# KiCad board panelised.kicad_pcb (continued)
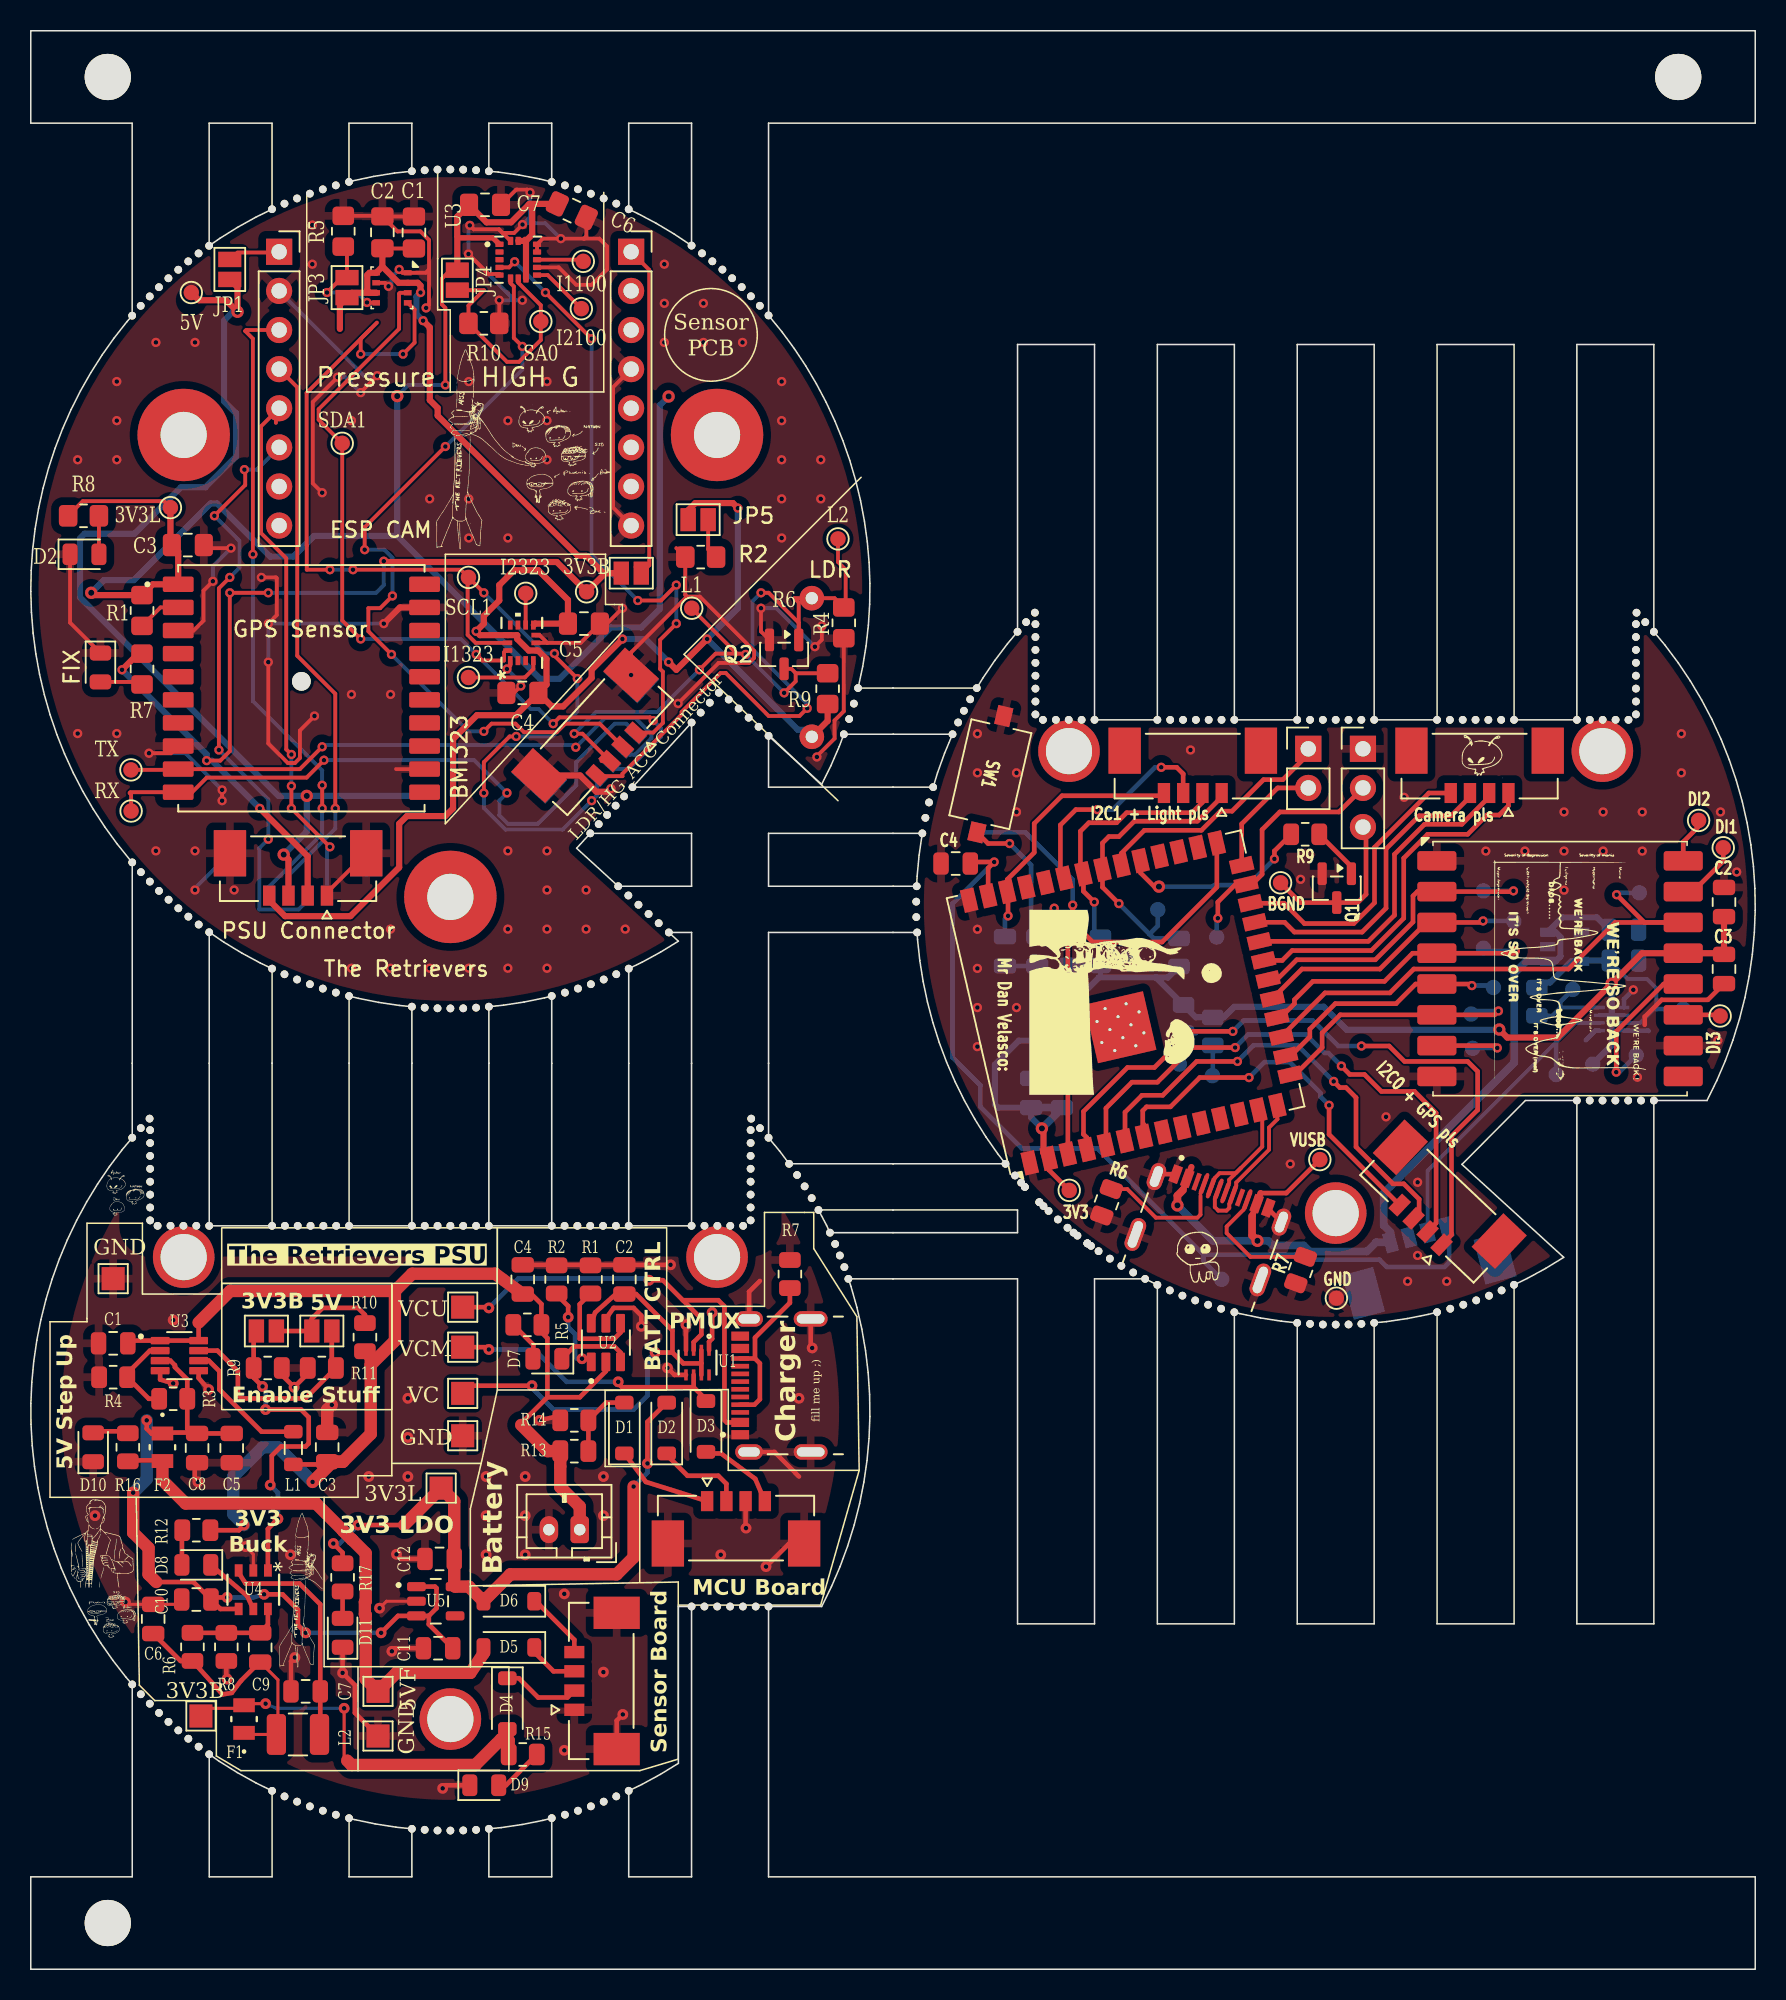
[diagram p0: board, top side]
## Routing (per net, layer and track width the routed paths; a pad name or vN(x,y) marks a point on that pad's centre or on a via; arc(x,y) is an arc through that point) (continued)
Board_0-GPS_UART_RX: length 42.1
  Top w0.25: RX.1 6.51,76.3 6.42,76.39 6.47,76.44 U1.10 10.47,76.44 11.42,77.39 17.91,77.39 v1(19.04,78.51)
  Bottom w0.25: v1(19.04,78.51) 28.8,78.51 v1(30.92,76.39) 30.43,75.89 30.43,74.94 30.98,74.39 32.92,74.39 35.42,76.89 35.42,78.39 37.92,80.89 38.67,80.89 J2#3.4
Board_0-GPS_UART_TX: length 38.5
  Top w0.25: U1.9 9.52,77.89 TX.1 ; U1.9 17.47,77.94 v1(18.92,79.39) ; U1.9 9.55,77.96
  Bottom w0.25: v1(18.92,79.39) 19.04,79.5 35.24,79.5 v1(35.39,79.35) 37.3,81.26 39.25,81.26 40.31,80.21 40.31,79.95 39.22,78.87 38.92,78.87 J2#3.3
Board_0-IN2_100: length 3.8
  Top w0.25: U5#2.9 33.58,110.02 I2100.1
Board_0-INT1_100: length 3
  Top w0.25: I1100.1 35.77,111.02 U5#2.11
Board_0-INT1_323: length 5
  Top w0.25: U4#2.4 32.64,84.44 32.09,83.89 I1323.1
Board_0-INT2_323: length 2.1
  Top w0.25: U4#2.9 32.14,89.35 I2323.1
Board_0-LIGHT1: length 29.1
  Top w0.25: 37.06,78.47 J1#2.3 35.83,80.24 v1(35.29,80.24) ; v1(48.92,82.89) 49.67,83.64 49.67,84.17 ; 45.85,85.43 46.38,85.43 v1(46.42,85.39) ; 45.85,85.43 44.47,85.43 v1(43.42,84.39) ; 45.85,85.43 43.39,87.89 43.39,87.92 L1#2.1 ; Q2.3 49.4,84.45 49.67,84.17 ; 49.67,84.17 49.69,84.16 R9.1
  Bottom w0.25: v1(35.29,80.24) 36.7,81.64 40.68,81.64 v1(43.42,84.39) ; v1(48.92,82.89) v1(46.42,85.39)
Board_0-LIGHT2: length 42.6
  Top w0.25: v1(50.42,81.89) 49.92,81.39 47.92,81.39 45.14,84.17 ; 45.14,84.17 44.79,84.17 42.27,81.65 42.27,81.48 38.42,77.64 38.42,77.48 36.82,77.48 J1#2.4 ; 45.14,84.17 45.12,84.17 ; L2#2.1 52.42,91.39 52.92,90.89 52.92,88.56 R4.2 52.2,89.04 R6#2.2 ; R6#2.2 49.59,89.04 49.87,88.75 Q2.1 49.87,87.44 47.92,89.39 v1(47.42,89.39) ; R6#2.2 50.7,89.06
  Bottom w0.25: v1(50.42,81.89) 50.42,82.17 46.87,85.72 46.87,88.83 v1(47.42,89.39)
Board_0-Net-(D1-A): length 2.8
  Top w0.25: D1.2 7.06,83.6 R7#3.2
Board_0-Net-(D2-A): length 2.5
  Top w0.25: R8.2 D2#2.2
Board_0-Net-(JP1-B): length 2.5
  Top w0.25: 15.92,111.46 15.89,111.49 13.42,111.49
Board_0-Net-(JP2-B): length 22.1
  Top w0.25: 39.27,91.04 JP2.2 40.17,91.18 40.17,110.36 U2#2.9
Board_0-Net-(U1-~{RESET}): length 2.8
  Top w0.25: U1.2 8.42,88.44 R1#2.2
Board_0-PRESSURE_ADDR: length 7.3
  Top w0.25: v1(19.23,108.89) 20.2,109.86 JP3.2 20.53,111.63 R5#2.1 ; U3#2.5 21.86,108.22 v1(21.83,108.24)
  Bottom w0.25: v1(19.23,108.89) 21.19,108.89 v1(21.83,108.24)
Board_0-SA0: length 15.2
  Top w0.25: U5#2.7 31.66,109.52 33.12,108.06 SA0.1 33.12,105.8 31.71,104.39 30.92,104.39 R10.1 28.42,108.04 29.42,109.04 JP4.2
Board_0-SCL1: length 76.6
  Top w0.25: v1(20.92,90.89) 27.92,90.89 SCL1.1 ; v1(29.42,89.39) SCL1.1 ; SCL1.1 28.37,90.33 28.37,86.66 28.89,86.14 U4#2.13 ; v1(34.01,85.45) 33.98,85.45 33.92,85.39 v1(35.49,83.82) ; v1(21.42,104.89) 21.42,105.88 22.07,106.53 ; U3#2.4 24.92,107.77 24.92,105.64 v1(24.17,104.89) ; 22.07,106.53 22.48,106.93 ; 22.07,106.53 17.91,102.37 17.91,92.47 17.92,92.46 17.92,90.89 v1(19.42,90.89) ; v1(29.42,76.39) 29.42,78.39 31.09,80.06 v1(31.53,80.06)
  Bottom w0.25: v1(24.17,104.89) v1(21.42,104.89) ; v1(29.42,89.39) 33.37,85.45 v1(34.01,85.45) ; 35.74,83.82 v1(35.49,83.82) 35.49,81.67 33.88,80.06 v1(31.53,80.06) ; v1(20.92,90.89) v1(19.42,90.89) ; J2#3.1 36.77,76.23 v1(36.42,75.89) 34.55,74.01 30.83,74.01 29.42,75.41 v1(29.42,76.39)
Board_0-SCL2: length 40.9
  Top w0.25: v1(39.42,88.89) 40.92,88.89 v1(41.92,89.89) ; U5#2.4 31.06,110.52 v1(31.42,110.89) ; J1#2.1 40.43,80.31 41.05,80.94 41.05,84.26 40.87,84.44 40.87,86.33 v1(41.92,87.39) ; v1(36.42,105.89) v1(33.42,108.89)
  Bottom w0.25: v1(41.92,87.39) v1(41.92,89.89) ; v1(33.42,108.89) v1(31.42,110.89) ; v1(36.42,105.89) 36.42,91.89 v1(39.42,88.89)
Board_0-SDA1: length 56.3
  Top w0.25: U4#2.14 30.84,85.64 30.73,85.53 30.73,84.99 29.32,84.99 v1(28.92,85.39) ; v1(40.42,81.09) 40.22,81.3 34.33,81.3 v1(33.92,80.89) ; U3#2.3 23.98,108.87 23.91,108.8 23.91,106.53 18.69,101.31 18.69,100.63 SDA1.1 20.22,87.59 v1(21.42,86.39)
  Bottom w0.25: v1(40.42,81.09) 40.92,80.59 40.92,80.04 38.84,77.95 38.08,77.95 J2#3.2 ; v1(21.42,86.39) 27.92,86.39 v1(28.92,85.39) 32.48,81.83 32.98,81.83 v1(33.92,80.89)
Board_0-SDA2: length 50.6
  Top w0.25: v1(26.92,98.89) 21.68,93.65 v1(21.68,92.19) ; v1(29.42,80.39) 29.92,80.89 31.48,80.89 32.03,80.33 34.15,80.33 34.71,80.89 36.95,80.89 J1#2.2 38.42,79.39 ; v1(31.92,105.39) 31.37,105.94 31.37,109.28 31.16,109.49 U5#2.6 ; v1(23.42,85.39) 21.92,86.89 21.92,88.39 22.69,88.39 v1(23.49,89.19)
  Bottom w0.25: v1(29.42,80.39) 28.42,80.39 v1(23.42,85.39) ; v1(21.68,92.19) 22.96,92.19 23.49,91.66 v1(23.49,89.19) ; v1(26.92,98.89) 31.92,103.89 v1(31.92,105.39)
Board_0-SDO: length 2.6
  Top w0.25: JP5.2 43.99,92.22 R2#2.1
Board_0-unconnected-(U1-3D-FIX-Pad5): length 0.9
  Top w0.25: 8.72,83.94 U1.5
Board_1-+3V3_Buck: length 26.4
  Top w0.2: v3(15.25,17.25) 13.95,17.25 F1.2 13.65,16.94 11.46,16.94 11.32,16.79 ; 20.55,13.55 20.35,13.75 v3(20.35,16.95) ; 30.64,13.55 R15.1
  Top w0.8: D4.2 30.95,14.95 ; 30.95,14.95 31.04,14.86 R15.1 30.94,14.05 ; 30.95,14.95 30.55,14.95 28.87,13.26 20.83,13.26 20.55,13.55
  Bottom w0.2: v3(15.25,17.25) 15.95,16.95 v3(20.35,16.95)
Board_1-+3V3_LDO: length 40.9
  Top w0.3: v3(21.25,28.85) 24.25,28.85 ; D2.2 40.05,35.55 v3(40.05,32.85) ; R17.1 20.25,27.05 v3(19.65,27.65)
  Top w0.8: 24.25,28.85 3V3_LDO_TP1.1 27.5,30.4 C12.1 27.5,24.9 U5.5 28.45,24.85 D6.2 31.15,25.65 38.05,25.65 39.15,26.75 v3(39.15,31.35)
  Bottom w0.3: v3(19.65,27.65) 20.05,27.65 v3(21.25,28.85) ; v3(40.05,32.85) 40.05,32.25 v3(39.15,31.35)
Board_1-+5VF: length 36.5
  Top w0.3: F2.2 8.48,33 8.44,33.05 6.31,33.05 6.3,33.03 R16.1
  Top w0.8: D5.2 29.4,20.5 28.55,19.25 23.75,19.25 5V_TP1.1 21.75,18.85 21.75,23 21.7,23.05 21.7,23.84 21.75,23.89 21.75,27.02 20.87,27.89 20.86,27.89 20.3,28.45 20.3,28.47 18.52,30.25 10.05,30.25 8.55,31.75 F2.2
Board_1-+5VU: length 52.4
  Top w0.3: C10.1 12.31,23.39 U4.4 ; C10.1 10.56,25.15 8.15,25.15 ; C10.1 11.84,24.15 v3(12.75,24.15) ; C10.1 11.65,23.96 ; v3(7.53,35.65) 7.53,35.1 7.84,34.79 F2.1 ; 25.85,22.95 26.35,23.45 26.35,24.75 26.25,24.85 U5.1 ; 25.85,22.95 U5.3 23.85,22.95 v3(22.75,21.85) ; 25.85,22.95 25.85,22.4 C11.1 ; 12.85,34.8 10.45,34.8 ; 10.45,34.8 10.16,35.08 R3.1 10.16,38.29 9.36,39.1 9.36,39.22 9.06,39.52 U3.3 ; 10.45,34.8 10.4,34.85 8.25,34.85 ; v3(17.85,21.85) 17.35,22.35 17.35,23.35 16.35,24.35 v3(15.15,24.35)
  Top w0.8: v3(6.65,30.95) 6.65,28.35 7.65,27.35 7.65,25.65 8.15,25.15 ; 27.45,20.9 C11.1
  Bottom w0.3: v3(17.85,21.85) v3(22.75,21.85) ; v3(15.15,24.35) 14.45,24.15 v3(12.75,24.15)
  Bottom w0.8: v3(6.65,30.95) 7.53,31.82 v3(7.53,35.65)
Board_1-/Bat_ADC: length 4.8
  Top w0.3: R13.2 R14.1 37.36,36.8 D1#2.2
Board_1-EN_3.3: length 21
  Top w0.3: U4.1 15.4,28.6 v3(16.05,29.25) ; EN_3V3.1 14.47,41.27 R9#2.1 14.47,38.42 v3(15.05,37.85) ; 15.45,31.55 v3(15.55,31.45) 15.65,31.55 15.65,33.35 16.25,33.95 17.85,33.95 18.05,34.15 18.05,35.85 17.55,36.35 v3(15.25,36.35)
  Bottom w0.3: v3(15.05,37.85) 15.25,37.65 v3(15.25,36.35) ; v3(15.55,31.45) 16.05,30.95 v3(16.05,29.25)
Board_1-EN_5: length 14.4
  Top w0.3: EN_5.1 19.55,39.31 R11.1 17.83,37.07 13.69,37.07 13.45,37.31 13.45,38.84 12.12,40.17 U3.7
Board_1-GND: length 70.2
  Top w0.2: v3(6.15,23.85) 6.3,23.7 C6.1 9.49,23.7 C10.2 ; U5.2 23.1,23.9 v3(22.65,23.45) ; U4.2 14.45,26.95 v3(13.95,27.45)
  Top w0.3: v3(50.75,40.35) 50.65,40.45 J3#2.SH4 ; C11.2 23.65,20.85 v3(23.45,20.65) ; v3(12.75,18.85) 12.7,18.9 R8#2.2 ; J3#2.SH1 48.29,33.59 49.89,32 ; C7.1 16.9,20 v3(17.15,20.25) ; v3(46.45,28.65) 46.42,28.67 J2.3 ; v3(9.25,38.05) 8.4,38.3 U3.4 ; C8.2 10.65,32.75 10.65,31.85 v3(10.85,31.65) ; GND_TP3.1 21.05,16.64 21.05,18.44 v3(20.25,19.25) D11.1 ; J3#2.SH3 46.65,44 47.35,44.7 ; v3(42.55,41.85) 42.55,41.45 U1#3.4 ; U1#3.5 41.8,38.6 v3(41.35,39.05) ; R9#2.2 16.3,38.6 v3(17.1,37.8) 17.99,38.68 R11.2 ; J2.S1 49.25,27.65 v3(47.75,26.15) ; R14.2 34.39,35.68 34.17,35.9 v3(33.05,35.65) ; v3(44.25,42.65) 44.25,40.95 44.05,40.75 U1#3.1 ; D9.1 26.95,11.95 v3(26.75,11.75) ; v3(38.45,16.55) 38.05,16.15 J1#3.S2 ; v3(41.55,45.75) C2#2.2 C4.2 ; v3(39.65,41.75) 39.65,42.45 39.15,42.95 37.85,42.95 37.35,42.25 U2#3.5 ; v3(11.55,37.65) 10.9,38.4 U3.5 ; v3(23.75,26.95) 24.05,26.65 C12.2
  Top w0.8: C3#3.1 19.25,36.35 v3(19.55,36.65)
  vias: v3(4.17,29.46) v3(9.25,42.16) v3(16.87,26.92) v3(21.95,32) v3(24.49,37.08) v3(24.49,34.54) v3(24.49,32) v3(29.57,32) v3(29.57,29.46) v3(29.57,26.92) v3(32.11,32) v3(32.11,29.46) v3(32.11,26.92) v3(34.65,24.38) v3(34.65,14.22) v3(37.19,32) v3(37.19,29.46) v3(37.19,19.3) v3(44.81,26.92) v3(49.89,37.08)
Board_1-Net-(C6-Pad2): length 17.1
  Top w0.2: C9.1 16.05,18.8 16.05,15.45 15.95,15.35 L2.1 13.95,15.25 13.85,15.34 F1.1
  Top w0.3: 14.9,19.98 13.65,18.73 13.05,17.95 12.45,17.85 R6#3.2 ; 10.37,19.9 R6#3.2 ; R6#3.2 9.72,20.02 C6.2
Board_1-Net-(D1-K): length 6.5
  Top w0.3: D1#2.1 39.95,31.65 J2.1
Board_1-Net-(D2-K): length 5.9
  Top w0.3: D2.1 41.3,33.4 42.65,32.05 44.65,32.05 45.17,31.52 J2.2
Board_1-Net-(D3-A): length 5.4
  Top w0.3: J2.4 47.05,31.85 44.82,33.5 43.95,33.5 D3.2
Board_1-Net-(D4-K): length 5.1
  Top w0.3: D4.1 31.7,18.9 32.95,17.65 34.85,17.65 J1#3.2
Board_1-Net-(D5-K): length 3.4
  Top w0.3: J1#3.3 33.95,19.35 32.7,20.6 D5.1
Board_1-Net-(D6-K): length 4.4
  Top w0.3: D6.1 32.8,23.9 35.3,21.4 J1#3.4
Board_1-Net-(D7-A): length 2.7
  Top w0.3: R5.2 32.64,40.55 32.64,39.67 D7.2
Board_1-Net-(D7-K): length 4.9
  Top w0.3: U2#3.3 38.3,40.05 37.9,40.45 35.29,40.45 D7.1
Board_1-Net-(D8-A): length 2.3
  Top w0.3: R12.1 9.81,28.48 D8.2
Board_1-Net-(D8-K): length 4
  Top w0.3: U4.5 14.05,24.25 D8.1
Board_1-Net-(D9-A): length 3.3
  Top w0.3: R15.2 30.86,11.95 D9.2
Board_1-Net-(D10-A): length 2.4
  Top w0.3: R16.2 6.25,34.86 6.25,34.87 6.19,34.93 4.15,34.93 D10.2
Board_1-Net-(D11-A): length 1.8
  Top w0.3: R17.2 D11.2
Board_1-Net-(EN_3V3-B): length 7.6
  Top w0.3: EN_3V3.2 EN_5.2 18.25,42.25 18.95,42.95 21.25,42.95 21.7,42.5 R10#2.2
Board_1-Net-(J3-CC1): length 10.7
  Top w0.3: J3#2.B5 47.03,39.66 ; 47.03,39.66 47.03,41.01 49.3,43.28 R7.1 ; 47.03,39.66 47.35,39.35 47.35,37.01 47,36.66 J3#2.A5
Board_1-Net-(U2-ISET): length 6.6
  Top w0.3: R1.1 35.65,43.18 35.65,40.95 37.9,40.95 38.3,41.35 U2#3.4
Board_1-Net-(U2-TS): length 5.8
  Top w0.3: v3(35.8,39.65) 36.19,39.65 U2#3.1 ; v3(34.9,42.35) 34.9,43.06 34.15,43.82 R2.1
  Bottom w0.3: v3(34.9,42.35) 34.9,41.69 35.35,41.25 35.35,39.77 35.47,39.65 v3(35.8,39.65)
Board_1-Net-(U3-FB): length 6.1
  Top w0.3: U3.2 7.74,40.17 6.26,38.7 R4#2.1 ; R3.2 7.66,37.05 R4#2.1 ; 6.56,38.75 R4#2.1
Board_1-Net-(U3-SW): length 8.8
  Top w0.3: U3.6 11.56,39.52 12.25,38.83 12.25,37.65 14.99,34.91 L1.2
Board_1-Net-(U4-FB): length 6.1
  Top w0.3: R6#3.1 R8#2.1 14.86,21.85 15.4,22.38 U4.6
Board_1-Net-(U4-LX): length 14.9
  Top w0.3: U4.3 13.5,25.75 13.95,25.05 17.45,25.05 18.8,23.7 C7.2 18.8,15.4 18.75,15.35 L2.2
Board_1-Vbat: length 84.6
  Top w0.3: R12.2 13.51,28.51 v3(13.85,28.85) ; U2#3.2 37.35,38.84 35.66,37.15 33.55,37.15 ; C3#3.2 19.07,32.78 17.25,32.78 ; 31.85,35.35 31.85,35.45 33.55,37.15 ; 10.9,42 U3.8 U3.1 6.47,40.82 C1#2.1 ; 33.55,37.15 33.55,40.98 33.16,41.37 R5.1 33.16,43.2 32.51,43.85 C4.1
  Top w0.8: C4.1 30.15,45.17 24.77,45.17 23.65,44.05 ; 23.65,44.05 23.65,40.82 22.08,39.25 ; 23.65,44.05 12.95,44.05 10.9,42 ; 31.85,35.35 33.55,33.65 R13.1 34.39,31.31 35.65,30.05 J4#2.1 ; 22.08,39.25 22.08,34.76 20.27,32.96 ; 22.08,39.25 22.08,39.75 R10#2.1 ; v3(18.3,31.65) 19.61,32.96 20.27,32.96 ; 20.27,32.96 C3#3.2
  Bottom w0.8: v3(18.3,31.65) 16.05,33.9 15.05,33.9 13.15,32 13.15,29.55 v3(13.85,28.85)
Board_1-Vcharger: length 29.8
  Top w0.3: U2#3.6 36.65,42.65 38,43.85 C2#2.1 39.31,43.85 41.67,41.48 41.67,40.05 ; 41.67,40.05 42.37,39.35 43.55,39.35 ; 41.67,40.05 v3(40.55,40.05) ; 43.55,39.35 U1#3.2 ; 43.55,39.35 U1#3.7 ; Vcharger_TP1.1 28.55,37.9 v3(32.55,37.9)
  Bottom w0.3: v3(40.55,40.05) 40.05,39.55 40.05,37.25 39.15,36.35 33.95,36.35 32.55,37.75 v3(32.55,37.9)
Board_1-Vcharger_MCU: length 18.2
  Top w0.3: 43.05,37.8 38.4,37.8 38.25,37.95 38.25,38.05 v3(38.15,38.15) ; 43.05,37.8 43.85,37 D3.1 ; 43.05,37.8 U1#3.6 ; Vcharger_MCU_TP1.1 29.6,40.4 v3(29.75,40.25)
  Bottom w0.3: v3(38.15,38.15) 34.8,38.15 32.7,40.25 v3(29.75,40.25)
Board_1-Vcharger_USB: length 31
  Top w0.3: v3(40.15,44.75) 41.05,44.75 42.35,43.45 ; Vcharger_USB_TP1.1 29.7,43 v3(29.75,42.95) ; 42.35,43.45 43.55,42.25 43.55,41.22 43.05,40.72 U1#3.3 ; 42.35,43.45 44.65,43.45 45.05,43.05 45.05,35.66 45.2,35.51 J3#2.A4_B9
  Bottom w0.3: v3(29.75,42.95) 31.66,44.86 40.04,44.86 v3(40.15,44.75)
Board_2-+3V3: length 84.3
  Top w0.3: TP19.1 66.12,51.91 U2.2
  Top w0.4: C2#3.1 C3.1 109.89,65.98 U1#2.13 104.64,65.98 v2(102.67,64) 99.17,60.5 95.89,60.5 v2(95.37,61.03) ; v2(65.67,54.6) 65.77,54.5 65.77,53.01 U2.2
  Top w0.5: 107.14,65.8 U1#2.13 107.39,65.9
  Bottom w0.25: U3#3.7 U3#3.2
  Bottom w0.3: R5#3.2 R2#3.2 69.47,64.5 69.37,64.4
  Bottom w0.4: v2(95.37,61.03) 95.35,61 85.47,61 83.97,62.5 78.17,62.5 77.48,61.82 R1#3.2 75.67,61.82 R3#2.1 73.08,64.4 ; 73.08,64.4 73.86,64.4 R4#3.1 ; 73.08,64.4 69.37,64.4 65.27,60.3 64.17,60.3 62.62,58.75 62.62,56.15 62.82,55.95 C7#3.1 64.97,55.3 v2(65.67,54.6) ; v2(102.67,64) 102.67,60 TP15.1
  Bottom w0.5: C7#3.1 C6#3.1 66.97,55.9 v2(65.67,54.6)
Board_2-+3V3_LDO_LOCAL: length 14.8
  Bottom w0.25: U3#3.3 104.52,61.45 105.57,62.5 105.57,63.7 104.97,64.3 103.72,64.3 C9#2.2
  Bottom w0.3: TP21.1 105.57,62.35 105.49,62.43
  Bottom w0.4: C9#2.2 100.77,65.5 U4#3.5 100.04,65.45 98.67,64.08 98.16,64.08 R8#3.1
Board_2-+3V3_PSU_LDO: length 21.2
  Bottom w0.25: J7.2 90.72,51.85 100.32,61.45 U3#3.6
  Bottom w0.3: TP22.1 99.07,60.2
Board_2-/BUZZER_IO38: length 12.7
  Top w0.3: v1(80.77,72.1) 80.77,72.62 R9#3.1 ; U2.31 72.08,71.19 72.97,70.3 v2(73.27,70.3)
  Bottom w0.3: v2(73.27,70.3) 76.77,70.3 76.87,70.4 79.07,70.4 v1(80.77,72.1)
Board_2-/CAM_IO13: length 23.2
  Top w0.3: J5.1 95.97,75.55 95.37,74.95 94.57,74.95 93.32,73.7 90.72,73.7 89.17,72.15 89.17,68.25 87.07,66.15 81.92,66.15 81.28,65.51 U2.21
Board_2-/CAM_IO14: length 21.4
  Top w0.3: J5.2 94.72,76.13 92.94,74.35 90.52,74.35 88.57,72.4 88.57,68.45 86.87,66.75 U2.22
Board_2-/CAM_IO21: length 20.4
  Top w0.3: U2.23 81.43,67.99 82.07,67.35 86.47,67.35 88.02,68.9 88.02,72.75 90.17,74.9 92.24,74.9 93.47,76.13 J5.3
Board_2-/CAM_IO47: length 19.2
  Top w0.3: J5.4 90.8,76.38 87.27,72.85 87.27,69.25 85.92,67.9 82.72,67.9 81.4,69.23 U2.24
Board_2-/D+: length 10.7
  Top w0.25: 77.35,51.21 76.9,50.02 76.9,49.49 77.13,49.26 77.66,49.26 77.84,49.44 77.84,49.68 78.29,50.87 78.29,51.09 80.42,53.22 80.42,54.65 80.96,55.2 U2.14
Board_2-/D-: length 10.2
  Top w0.2: U2.13 79.98,55.55
  Top w0.25: 76.44,50.18 76.89,51.37 77.21,51.69 78.26,51.69 78.57,52.01 ; 77.38,49.86 77.83,51.05 77.83,51.27 78.57,52.01 ; 78.57,52.01 79.98,53.42 79.98,55.55
Board_2-/DI1: length 4.3
  Top w0.3: TP11.1 109.92,71.95 107.94,69.98 U1#2.15
Board_2-/DI2: length 2.6
  Top w0.3: U1#2.16 107.32,73.2 108.32,74.2
Board_2-/DI3: length 2.4
  Top w0.3: TP13.1 109.64,61.98 U1#2.11
Board_2-/DI4: length 10
  Top w0.3: v1(102.97,58.25) 102.97,60.9 106.05,63.98 U1#2.12
  Bottom w0.3: v1(102.97,58.25) 103.17,58.25 TP14.1
Board_2-/DI5: length 5.8
  Top w0.3: v1(95.24,59.83) 95.09,59.98 U1#2.7
  Bottom w0.3: 93.49,60.03 93.69,59.83 v1(95.24,59.83)
Board_2-/ESP_RESET: length 30
  Top w0.3: v1(66.47,68.9) 66.47,67.9 67.35,67.02 U2.3 ; SW1.2 62.17,73.1 v1(63.57,73.1)
  Bottom w0.3: v1(66.47,68.9) 66.47,68.15 C1#3.1 ; C1#3.1 64.97,67.45 64.97,71.7 v1(63.57,73.1) ; C1#3.1 65.41,67.02 R5#3.1
Board_2-/GPS_U1RX_IO7: length 25.6
  Top w0.3: v1(84.32,56.1) 84.32,54.21 J3.4 ; v1(79.12,57.9) 75.92,57.9 74.02,56 72.47,56 72.22,55.75 72.22,54.17 U2.7 72.3,54.86
  Bottom w0.3: v1(84.32,56.1) 83.77,56.65 83.77,56.9 81.77,58.9 80.12,58.9 v1(79.12,57.9)
Board_2-/GPS_U1TX_IO6: length 30.2
  Top w0.3: v1(84.62,57.65) 85.02,57.25 85.42,57.25 86.07,56.6 86.07,53.4 88.47,51 89.17,51 90.17,50 90.17,49.12 J3.3 ; v1(78.37,58.95) 75.72,58.95 73.52,56.75 72.17,56.75 71.06,55.65 U2.6
  Bottom w0.3: v1(78.37,58.95) 79.42,60 82.27,60 v1(84.62,57.65)
Board_2-/I2C0_SCL_IO4: length 49.6
  Top w0.3: J3.1 92.27,47.69 92.27,54.1 93.97,55.8 93.97,58.3 93.32,58.95 89.22,58.95 88.22,59.95 v1(86.42,59.95) ; v1(78.07,60.9) 75.32,60.9 72.97,58.56 71.22,58.56 68.37,55.7 68.37,54.22 68.59,54 U2.4
  Bottom w0.3: TP4.1 74.87,59.05 R3#2.2 75.66,60.79 75.77,60.9 v1(78.07,60.9) 78.77,61.6 83.27,61.6 84.92,59.95 v1(86.42,59.95)
Board_2-/I2C0_SDA_IO5: length 39.3
  Top w0.3: v1(78.22,59.85) 75.42,59.85 73.17,57.6 71.52,57.6 69.83,55.91 U2.5 ; J3.2 91.27,48.46 91.27,55.6 89.87,57 87.72,57 86.62,58.1 85.67,58.1 v1(85.12,58.65)
  Bottom w0.3: v1(85.12,58.65) 84.27,59.5 84.02,59.5 82.82,60.7 79.07,60.7 v1(78.22,59.85) 76.91,59.85 R1#3.1 76.77,58.05 TP2.1
Board_2-/I2C1_SCL_IO40: length 20.3
  Top w0.3: J4.1 77.34,76.13 75.77,74.55 71.67,74.55 70.67,73.55 70.02,73.55 69.6,73.14 U2.33 69.6,70.27 v1(70.67,69.2)
  Bottom w0.3: 72.66,67.22 73.19,67.75 TP5.1 ; 72.66,67.22 v1(70.67,69.2) ; 72.66,67.22 72.93,66.94 R4#3.2
Board_2-/I2C1_SDA_IO41: length 19.2
  Top w0.3: J4.2 76.09,75.78 75.42,75.1 71.17,75.1 70.52,74.45 68.72,74.45 68.17,73.9 68.17,71.7 68.37,71.51 U2.34 68.37,70.01 v1(69.07,69.3)
  Bottom w0.3: v1(69.07,69.3) 69.07,67.42 R2#3.1 70.66,65.83 TP3.1
Board_2-/IO39: length 15.9
  Top w0.3: U2.32 70.84,72.48 72.32,73.96 76.03,73.96 77.27,75.2 78.02,75.2 80.07,77.25 81.32,77.25 82.97,78.9 J2#2.1
Board_2-/IO45: length 8
  Top w0.3: J2#2.2 80.98,76.71 78.64,74.38 U2.26
Board_2-/LIGHT_1_IO42: length 14.5
  Top w0.3: v1(73.42,78.05) 74.42,78.05 74.84,77.63 J4.3 ; v1(69.27,75.3) 67.87,75.3 66.87,74.3 66.87,71.11 U2.35
  Bottom w0.3: v1(73.42,78.05) 73.02,78.05 70.27,75.3 v1(69.27,75.3)
Board_2-/LIGHT_2_ADC1CH1_IO2: length 17.4
  Top w0.3: v1(63.47,68.4) 63.47,69.94 U2.38 63.42,70.77 65.17,72.52 65.17,74.4 66.97,76.2 73.41,76.2 J4.4
  Bottom w0.3: C5#3.2 63.27,68.2 v1(63.47,68.4)
Board_2-/LORA_IRQ_IO9: length 35.8
  Top w0.3: v1(102.99,69.78) 104.79,67.98 U1#2.14 102.89,67.98 99.87,64.95 89.82,64.95 88.27,63.4 84.05,63.4 U2.17
  Bottom w0.3: v1(102.99,69.78) 103.12,69.9 TP16.1
Board_2-/LORA_SPI3_CLK_IO10: length 19.6
  Top w0.3: U2.18 81.17,61.8 82.07,62.7 82.07,62.95 83.27,64.15 87.92,64.15 89.74,65.98 U1#2.4 96.27,65.98 v1(96.42,66.13)
  Bottom w0.3: TP9.1 94.52,66.13 v1(96.42,66.13)
Board_2-/LORA_SPI3_CS_IO46: length 15.8
  Top w0.3: v1(93.59,63.88) 93.49,63.98 U1#2.5 89.94,63.98 88.67,62.7 84.72,62.7 83.07,61.05 83.07,60.55 81.84,59.33 U2.16
  Bottom w0.3: v1(93.59,63.88) 94.87,63.88 TP10.1
Board_2-/LORA_SPI3_D_IO11: length 17.8
  Top w0.3: U2.19 82.56,64.95 87.62,64.95 90.64,67.98 U1#2.3 94.22,67.98 v1(94.32,68.08)
  Bottom w0.3: v1(94.32,68.08) 96.29,68.08 TP8.1
Board_2-/LORA_SPI3_Q_IO12: length 21.3
  Top w0.3: v1(96.29,70.03) 96.24,69.98 U1#2.2 90.05,69.98 89.77,69.7 89.77,68.01 87.32,65.55 82.22,65.55 80.94,64.28 U2.20
  Bottom w0.3: v1(96.29,70.03) TP7.1
Board_2-/Power Management/POWER_ST: length 5.8
  Bottom w0.25: R8#3.2 98.54,61.92 98.56,61.93 98.81,61.93 99.33,62.45 U3#3.8
  Bottom w0.3: 99.33,62.45 99.33,62.82 TP20.1
Board_2-/SERVO_IO48: length 16.5
  Top w0.3: v1(77.09,68.25) 77.09,69.3 78.25,70.46 U2.25 79.33,70.46 79.97,71.1 79.97,74 81.12,75.15 84.96,75.15 J1.2
  Bottom w0.3: TP6.1 77.02,68.18 v1(77.09,68.25)
Board_2-/~{LORA_EN}_IO3: length 17.7
  Top w0.3: U2.15 82.1,58.09 83.87,59.85 83.87,60.8 85.04,61.98 U1#2.6 95.07,61.98 v1(95.32,62.23)
  Bottom w0.3: v1(95.32,62.23) 93.74,62.23 TP1.1
Board_2-BUZ_GND: length 10.8
  Top w0.3: J1.3 86.72,73.97 86.72,69.8 86.18,69.27 Q1.3 82.46,69.27 TP23.1
Board_2-GND: length 15.4
  Top w0.3: C3.2 108.92,62.95 105.92,62.95 104.82,61.85 104.82,61.33 ; J6.A12_B1 80.37,49.38 J6.SH3 ; J6.A1_B12 73.26,51.63 J6.SH1
  Bottom w0.3: U3#3.4 105.04,60.95 105.07,60.93 ; U3#3.5 101.62,60.95 100.99,60.33 ; C5#3.1 C1#3.2 ; v1(104.08,63.6) 103.47,62.99 U3#3.1
  vias: v1(61.48,80.23) v1(61.48,77.69) v1(61.48,67.53) v1(61.48,64.99) v1(61.48,62.45) v1(61.48,59.91) v1(64.02,77.69) v1(64.02,75.15) v1(64.02,62.45) v1(75.32,79.18) v1(76.72,64.99) v1(81.8,52.29) v1(82.47,70.78) v1(88.02,55.35) v1(89.19,76.1) v1(89.42,44.67) v1(90.07,51.1) v1(90.07,46.35) v1(91.96,44.67) v1(94.5,72.61) v1(97.04,72.61) v1(99.58,75.15) v1(99.58,72.61) v1(99.58,70.07) v1(102.12,75.15) v1(102.12,72.61) v1(104.34,57.93) v1(104.66,75.15) v1(104.66,72.61) v1(107.2,80.23) v1(107.2,77.69) v1(109.57,60.3) v1(109.74,75.15) v1(110.79,71.25)
Board_2-Net-(J6-CC1): length 9.1
  Top w0.25: 75.97,50.38 76.42,51.57 ; R6.2 71.21,50.66 73.07,48.8 75.77,48.8 75.97,49 75.97,50.21
Board_2-Net-(J6-CC2): length 9
  Top w0.25: 79.22,50.52 78.77,49.33 77.67,48.23 77.67,47.8 79.21,46.26 R7#2.2
Board_2-Net-(Q1-B): length 3.4
  Top w0.3: Q1.1 85.77,71.6 83.68,73.69 R9#3.2
Board_2-Net-(U2-IO0): length 24.5
  Top w0.3: v1(67.67,69.1) 67.67,68 68.97,66.7 73.47,66.7 77.03,70.26 U2.27
  Bottom w0.3: v1(67.67,69.1) 67.67,70.75 64.59,73.83 SW2.2
Board_2-V_USB: length 57.8
  Top w0.3: TP17.1 81.54,50.4 79.87,50.4
  Top w0.4: 75.38,52.09 74.83,50.59 74.76,50.59 ; 79.87,50.4 79.32,48.9
  Top w0.5: 74.83,50.59 74.47,50.23 v2(74.47,49.6) ; v2(79.67,47.3) 79.65,47.3 79.57,47.38 79.57,47.4 79.32,47.65 79.32,48.9
  Bottom w0.4: U4#3.1 99.02,65.45 99.35,65.78 99.35,67.03 99.02,67.35 U4#3.3 99.47,68.3 101.72,68.3 C8#2.2
  Bottom w0.5: v2(74.47,49.6) 76.77,47.3 v2(79.67,47.3) 80.37,47.3 80.67,47 82.67,47 83.07,46.6 86.77,46.6 87.37,47.21 J7.4 88.3,47.87 87.87,48.3 87.87,50.4 96.34,58.88 96.34,64.68 97.12,65.45 U4#3.1

## Copper pours and planes (outline as drawn; the poured copper is in the pictures)
Board_0-GND on Top, Bottom: -4.58,120.64 -3.83,55.64 63.27,55.44 62.52,119.44 -4.33,120.89
Board_1-GND on Top, Bottom: -3.45,56.9 -3.45,4.4 56.8,5.4 56.55,57.4
Board_2-GND on Top, Bottom: 79.87,100.4 51.32,81.3 58.87,34.85 116.57,37.3 126.47,87.35 79.97,100.55

## Text on the board
B.Silkscreen: I2C0_SCL | VBAT | I2C0_SDA | IO48 | ~{EN} | DI5 | SPIQ | SPID | SCLK | CS | 3V3_PSU | PST | 3V3 | RX_IRQ | DI4 | 3V3_LDO | Dedicated to: / mr long schlong | I2C1_SDA | I2C1_SCL | Power here / pls | desinged by aids | Daniel still gotta / eat the 2x buldak | mb gng | THE_RETIVERS | MCU-BOARD / REV 2 | +10 | antenna / scam -> | always has fix :D | {dblquote}we need more clearance{dblquote} / or sum like that idk | THE SACRED ROCK | ldr broken again | git push -f | {dblquote}wanna go grab sens--{dblquote} YES | cspell would've fixed it | aliexpress my beloved <3 | {dblquote}it works on my machine{dblquote} | local llms | GPS/BOSCH Connector | CAM Connector | trip never made it / out of the gc :( | Never gonna give you up / Never gonna let you down / Never gonna run around and desert you / Never gonna make you cry / Never gonna say goodbye / Never gonna tell a lie and hurt you
F.Silkscreen: 3V3 | BGND | VUSB | GND | I2C1 + Light pls | Camera pls | DI2 | DI1 | DI3 | Mr Dan Velasco: | I2C0 + GPS pls | PSU Connector | GPS Sensor | The Retrievers | ESP CAM | LDR | FIX | BMI323 | Pressure | HIGH G | LDR/HG_ACC Connector | Sensor / PCB | fill me up ;) | 3V3B | 3V3L | VCU | VCM | VC | 5VF | Enable Stuff | 5V | PMUX | MCU Board | 3V3 / Buck | 5V Step Up | BATT CTRL | Sensor Board | The Retrievers PSU | 3V3 LDO | Charger | Battery
